# Altium PCB miniBackplane.PcbDoc (part 22 of 24)
Units mil, origin at the board's own origin, x right, y up, seen from the top; angles counter-clockwise.
Board outline 17285.63 x 8582.68 mil, 6 copper layers (Top Layer, Mid-Layer 1, GND, PWR, Mid-Layer 2, Bottom Layer), stack 62.362 mil thick; 519 components, 474 nets, 2434 pads, 1493 vias.
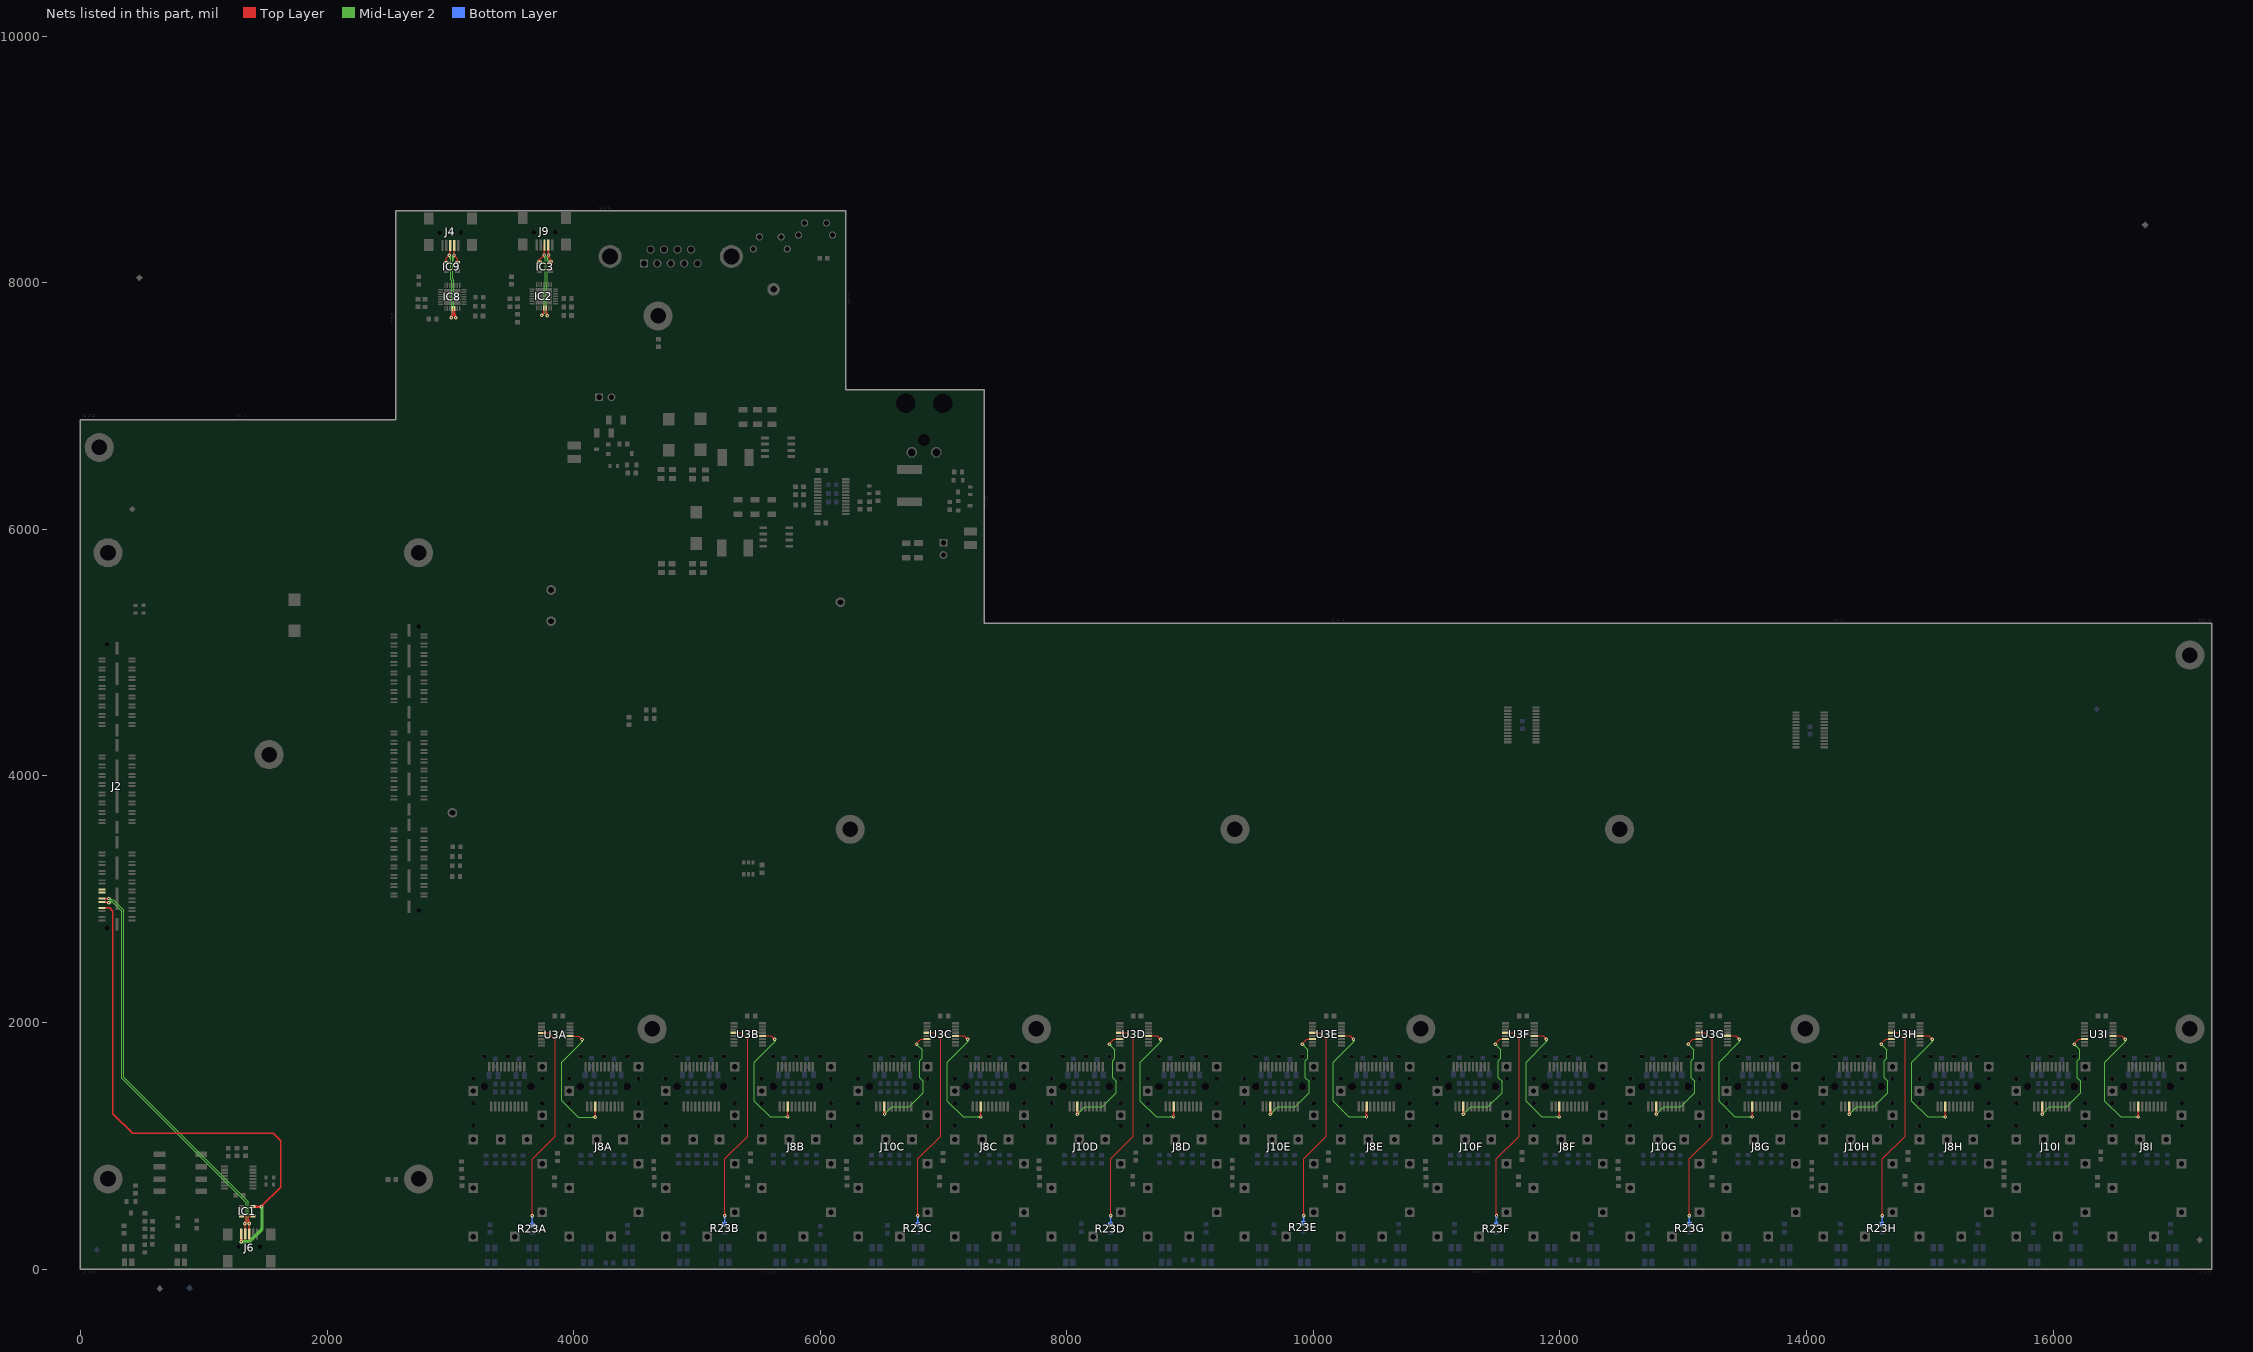
[diagram p26: the nets of this part, all layers, seen from the top]

## Via types
v1: diameter 27.56, hole 11.81, Top Layer to Bottom Layer, tented both sides, 1347 vias
v2: diameter 23.62, hole 11.81, Top Layer to Bottom Layer, tented both sides, 146 vias

## Nets (pads, with @x,y where several pads share a name; then routed paths per layer and width w, separated by ;. In a path a pad name is that pad's centre, name@x,y a point inside that pad or via, vN(x,y) a via of type N, cw(c..) or ccw(c..) an arc to the next point about the centre after c; other vN are vias at no path point) (continued)
SFP0_TX_DISABLEC: J10C.3 U3C.6 | length 1379
  Top Layer w7.87: J10C.3@6516.2,1283.74 cw(c6508.93,1271.15) 6522.98,1274.91 ; J10C.3@6516.9,1283.4 cw(c6514.48,1277.55) 6520.6,1275.91 ; v1(6521.65,1256.09) J10C.3@6521.65,1320.05 ; 6522.87,1275.3 cw(c6536.37,1278.92) J10C.3@6524.27,1285.91 ; v1@6783.63,1831.12 6817.74,1865.24 U3C.6@6864.98,1865.24 ; v1@6516.18,1264.27 ccw(c6510.93,1272.11) 6520.05,1274.56 ; v1@6516.18,1264.27 ccw(c6510.93,1272.11) 6520.05,1274.56 ; v1@6516.18,1264.27 ccw(c6510.93,1272.11) 6520.05,1274.56 ; 6520.64,1272.34 ccw(c6532.94,1275.64) v1@6526.57,1264.61 ; 6520.64,1272.34 ccw(c6532.94,1275.64) v1@6526.57,1264.61 ; 6520.64,1272.34 ccw(c6532.94,1275.64) v1@6526.57,1264.61 ; J10C.3@6521.65,1279.85 ccw(c6545.42,1279.85) 6528.61,1263.05 cw(c6545.42,1279.85) J10C.3@6521.65,1279.85 ; J10C.3@6521.65,1279.85 cw(c6497.89,1279.85) 6514.69,1263.05 ccw(c6497.89,1279.85) J10C.3@6521.65,1279.85 ; 6833.42,1865.24 ccw(c6833.42,1877.12) 6841.82,1868.72 cw(c6833.42,1877.12) 6833.42,1865.24 ; 6833.42,1865.24 cw(c6833.42,1853.36) 6841.82,1861.76 ccw(c6833.42,1853.36) 6833.42,1865.24 ; J10C.3@6514.98,1284.68 cw(c6498.86,1268.57) 6521.65,1268.57 ccw(c6498.86,1268.57) J10C.3@6514.98,1284.68
  Mid-Layer 2 w7.09: v1(6521.65,1256.09) 6581.13,1315.56 6722.18,1315.56 6836.13,1429.5 6836.13,1523.62 6806.13,1553.62 6806.13,1688.62 6826.13,1708.62 6826.13,1778.62 v1(6781.13,1823.62) ; 6539.13,1273.56 ccw(c6556.6,1256.09) 6531.89,1256.09 cw(c6556.6,1256.09) 6539.13,1273.56 ; 6539.13,1273.56 cw(c6521.65,1291.04) 6521.65,1266.32 ccw(c6521.65,1291.04) 6539.13,1273.56 ; 6798.6,1806.15 ccw(c6781.13,1788.67) 6781.13,1813.39 cw(c6781.13,1788.67) 6798.6,1806.15 ; 6798.6,1806.15 cw(c6816.07,1823.62) 6791.36,1823.62 ccw(c6816.07,1823.62) 6798.6,1806.15
SFP0_TX_DISABLED: J10D.3 U3D.6 | length 1319.6
  Top Layer w7.87: J10D.3@8081.92,1285.32 cw(c8069.37,1275.93) 8084.52,1271.87 ; v1(8086.65,1256.09) J10D.3@8086.65,1320.05 ; 8088.79,1271.87 cw(c8103.94,1275.93) J10D.3@8091.38,1285.32 ; v1@8348.63,1831.12 8382.74,1865.24 U3D.6@8429.98,1865.24 ; 8086.65,1274.6 ccw(c8072.4,1274.6) 8082.48,1284.68 cw(c8072.4,1274.6) 8086.65,1274.6 ; 8086.65,1274.6 cw(c8100.91,1274.6) 8090.83,1284.68 ccw(c8100.91,1274.6) 8086.65,1274.6 ; J10D.3@8086.65,1279.85 ccw(c8110.42,1279.85) 8093.61,1263.05 cw(c8110.42,1279.85) J10D.3@8086.65,1279.85 ; J10D.3@8086.65,1279.85 cw(c8062.89,1279.85) 8079.69,1263.05 ccw(c8062.89,1279.85) J10D.3@8086.65,1279.85 ; 8398.42,1865.24 ccw(c8398.42,1877.12) 8406.82,1868.72 cw(c8398.42,1877.12) 8398.42,1865.24 ; 8398.42,1865.24 cw(c8398.42,1853.36) 8406.82,1861.76 ccw(c8398.42,1853.36) 8398.42,1865.24
  Mid-Layer 2 w7.09: v1(8086.65,1256.09) 8146.13,1315.56 8287.18,1315.56 8401.13,1429.5 8401.13,1523.62 8371.13,1553.62 8371.13,1688.62 8391.13,1708.62 8391.13,1778.62 v1(8346.13,1823.62) ; 8104.13,1273.56 ccw(c8121.6,1256.09) 8096.89,1256.09 cw(c8121.6,1256.09) 8104.13,1273.56 ; 8104.13,1273.56 cw(c8086.65,1291.04) 8086.65,1266.32 ccw(c8086.65,1291.04) 8104.13,1273.56 ; 8363.6,1806.15 ccw(c8346.13,1788.67) 8346.13,1813.39 cw(c8346.13,1788.67) 8363.6,1806.15 ; 8363.6,1806.15 cw(c8381.07,1823.62) 8356.36,1823.62 ccw(c8381.07,1823.62) 8363.6,1806.15
SFP0_TX_DISABLEE: J10E.3 U3E.6 | length 1319.6
  Top Layer w7.87: J10E.3@9646.92,1285.32 cw(c9634.37,1275.93) 9649.52,1271.87 ; v1(9651.65,1256.09) J10E.3@9651.65,1320.05 ; 9653.79,1271.87 cw(c9668.94,1275.93) J10E.3@9656.38,1285.32 ; v1@9913.63,1831.12 9947.74,1865.24 U3E.6@9994.98,1865.24 ; 9651.65,1274.6 ccw(c9637.4,1274.6) 9647.48,1284.68 cw(c9637.4,1274.6) 9651.65,1274.6 ; 9651.65,1274.6 cw(c9665.91,1274.6) 9655.83,1284.68 ccw(c9665.91,1274.6) 9651.65,1274.6 ; J10E.3@9651.65,1279.85 ccw(c9675.42,1279.85) 9658.61,1263.05 cw(c9675.42,1279.85) J10E.3@9651.65,1279.85 ; J10E.3@9651.65,1279.85 cw(c9627.89,1279.85) 9644.69,1263.05 ccw(c9627.89,1279.85) J10E.3@9651.65,1279.85 ; 9963.42,1865.24 ccw(c9963.42,1877.12) 9971.82,1868.72 cw(c9963.42,1877.12) 9963.42,1865.24 ; 9963.42,1865.24 cw(c9963.42,1853.36) 9971.82,1861.76 ccw(c9963.42,1853.36) 9963.42,1865.24
  Mid-Layer 2 w7.09: v1(9651.65,1256.09) 9711.13,1315.56 9852.18,1315.56 9966.13,1429.5 9966.13,1523.62 9936.13,1553.62 9936.13,1688.62 9956.13,1708.62 9956.13,1778.62 v1(9911.13,1823.62) ; 9669.13,1273.56 ccw(c9686.6,1256.09) 9661.89,1256.09 cw(c9686.6,1256.09) 9669.13,1273.56 ; 9669.13,1273.56 cw(c9651.65,1291.04) 9651.65,1266.32 ccw(c9651.65,1291.04) 9669.13,1273.56 ; 9928.6,1806.15 ccw(c9911.13,1788.67) 9911.13,1813.39 cw(c9911.13,1788.67) 9928.6,1806.15 ; 9928.6,1806.15 cw(c9946.07,1823.62) 9921.36,1823.62 ccw(c9946.07,1823.62) 9928.6,1806.15
SFP0_TX_DISABLEF: J10F.3 U3F.6 | length 1319.6
  Top Layer w7.87: J10F.3@11211.49,1285.32 cw(c11198.94,1275.93) 11214.08,1271.87 ; v1(11216.22,1256.09) J10F.3@11216.22,1320.05 ; 11218.36,1271.87 cw(c11233.5,1275.93) J10F.3@11220.95,1285.32 ; v1@11478.19,1831.12 11512.31,1865.24 U3F.6@11559.55,1865.24 ; 11216.22,1274.6 ccw(c11201.96,1274.6) 11212.04,1284.68 cw(c11201.96,1274.6) 11216.22,1274.6 ; 11216.22,1274.6 cw(c11230.48,1274.6) 11220.4,1284.68 ccw(c11230.48,1274.6) 11216.22,1274.6 ; J10F.3@11216.22,1279.85 ccw(c11239.98,1279.85) 11223.18,1263.05 cw(c11239.98,1279.85) J10F.3@11216.22,1279.85 ; J10F.3@11216.22,1279.85 cw(c11192.46,1279.85) 11209.26,1263.05 ccw(c11192.46,1279.85) J10F.3@11216.22,1279.85 ; 11527.99,1865.24 ccw(c11527.99,1877.12) 11536.39,1868.72 cw(c11527.99,1877.12) 11527.99,1865.24 ; 11527.99,1865.24 cw(c11527.99,1853.36) 11536.39,1861.76 ccw(c11527.99,1853.36) 11527.99,1865.24
  Mid-Layer 2 w7.09: v1(11216.22,1256.09) 11275.69,1315.56 11416.75,1315.56 11530.69,1429.5 11530.69,1523.62 11500.69,1553.62 11500.69,1688.62 11520.69,1708.62 11520.69,1778.62 v1(11475.69,1823.62) ; 11233.69,1273.56 ccw(c11251.17,1256.09) 11226.46,1256.09 cw(c11251.17,1256.09) 11233.69,1273.56 ; 11233.69,1273.56 cw(c11216.22,1291.04) 11216.22,1266.32 ccw(c11216.22,1291.04) 11233.69,1273.56 ; 11493.17,1806.15 ccw(c11475.69,1788.67) 11475.69,1813.39 cw(c11475.69,1788.67) 11493.17,1806.15 ; 11493.17,1806.15 cw(c11510.64,1823.62) 11485.93,1823.62 ccw(c11510.64,1823.62) 11493.17,1806.15
SFP0_TX_DISABLEG: J10G.3 U3G.6 | length 1311.1
  Top Layer w7.87: J10G.3@12776.49,1285.32 cw(c12763.94,1275.93) 12779.08,1271.87 ; v1(12781.22,1256.09) J10G.3@12781.22,1320.05 ; 12783.36,1271.87 cw(c12798.5,1275.93) J10G.3@12785.95,1285.32 ; v1@13043.19,1831.12 13077.31,1865.24 U3G.6@13124.55,1865.24 ; 12781.22,1274.6 ccw(c12766.96,1274.6) 12777.04,1284.68 cw(c12766.96,1274.6) 12781.22,1274.6 ; 12781.22,1274.6 cw(c12795.48,1274.6) 12785.4,1284.68 ccw(c12795.48,1274.6) 12781.22,1274.6 ; J10G.3@12781.22,1279.85 ccw(c12804.98,1279.85) 12788.18,1263.05 cw(c12804.98,1279.85) J10G.3@12781.22,1279.85 ; J10G.3@12781.22,1279.85 cw(c12757.46,1279.85) 12774.26,1263.05 ccw(c12757.46,1279.85) J10G.3@12781.22,1279.85 ; 13091.78,1865.24 ccw(c13091.78,1883.6) 13104.76,1870.61 cw(c13091.78,1883.6) 13091.78,1865.24
  Mid-Layer 2 w7.09: v1(12781.22,1256.09) 12840.69,1315.56 12981.75,1315.56 13095.69,1429.5 13095.69,1523.62 13065.69,1553.62 13065.69,1688.62 13085.69,1708.62 13085.69,1778.62 v1(13040.69,1823.62) ; 12798.69,1273.56 ccw(c12816.17,1256.09) 12791.46,1256.09 cw(c12816.17,1256.09) 12798.69,1273.56 ; 12798.69,1273.56 cw(c12781.22,1291.04) 12781.22,1266.32 ccw(c12781.22,1291.04) 12798.69,1273.56 ; 13058.17,1806.15 ccw(c13040.69,1788.67) 13040.69,1813.39 cw(c13040.69,1788.67) 13058.17,1806.15 ; 13058.17,1806.15 cw(c13075.64,1823.62) 13050.93,1823.62 ccw(c13075.64,1823.62) 13058.17,1806.15
SFP0_TX_DISABLEH: J10H.3 U3H.6 | length 1319.6
  Top Layer w7.87: J10H.3@14341.49,1285.32 cw(c14328.94,1275.93) 14344.08,1271.87 ; v1(14346.22,1256.09) J10H.3@14346.22,1320.05 ; 14348.36,1271.87 cw(c14363.5,1275.93) J10H.3@14350.95,1285.32 ; v1@14608.19,1831.12 14642.31,1865.24 U3H.6@14689.55,1865.24 ; 14346.22,1274.6 ccw(c14331.96,1274.6) 14342.04,1284.68 cw(c14331.96,1274.6) 14346.22,1274.6 ; 14346.22,1274.6 cw(c14360.48,1274.6) 14350.4,1284.68 ccw(c14360.48,1274.6) 14346.22,1274.6 ; J10H.3@14346.22,1279.85 ccw(c14369.98,1279.85) 14353.18,1263.05 cw(c14369.98,1279.85) J10H.3@14346.22,1279.85 ; J10H.3@14346.22,1279.85 cw(c14322.46,1279.85) 14339.26,1263.05 ccw(c14322.46,1279.85) J10H.3@14346.22,1279.85 ; 14657.99,1865.24 ccw(c14657.99,1877.12) 14666.39,1868.72 cw(c14657.99,1877.12) 14657.99,1865.24 ; 14657.99,1865.24 cw(c14657.99,1853.36) 14666.39,1861.76 ccw(c14657.99,1853.36) 14657.99,1865.24
  Mid-Layer 2 w7.09: v1(14346.22,1256.09) 14405.69,1315.56 14546.75,1315.56 14660.69,1429.5 14660.69,1523.62 14630.69,1553.62 14630.69,1688.62 14650.69,1708.62 14650.69,1778.62 v1(14605.69,1823.62) ; 14363.69,1273.56 ccw(c14381.17,1256.09) 14356.46,1256.09 cw(c14381.17,1256.09) 14363.69,1273.56 ; 14363.69,1273.56 cw(c14346.22,1291.04) 14346.22,1266.32 ccw(c14346.22,1291.04) 14363.69,1273.56 ; 14623.17,1806.15 ccw(c14605.69,1788.67) 14605.69,1813.39 cw(c14605.69,1788.67) 14623.17,1806.15 ; 14623.17,1806.15 cw(c14640.64,1823.62) 14615.93,1823.62 ccw(c14640.64,1823.62) 14623.17,1806.15
SFP0_TX_DISABLEI: J10I.3 U3I.6 | length 1319.6
  Top Layer w7.87: J10I.3@15906.49,1285.32 cw(c15893.94,1275.93) 15909.08,1271.87 ; v1(15911.22,1256.09) J10I.3@15911.22,1320.05 ; 15913.36,1271.87 cw(c15928.5,1275.93) J10I.3@15915.95,1285.32 ; v1@16173.19,1831.12 16207.31,1865.24 U3I.6@16254.55,1865.24 ; 15911.22,1274.6 ccw(c15896.96,1274.6) 15907.04,1284.68 cw(c15896.96,1274.6) 15911.22,1274.6 ; 15911.22,1274.6 cw(c15925.48,1274.6) 15915.4,1284.68 ccw(c15925.48,1274.6) 15911.22,1274.6 ; J10I.3@15911.22,1279.85 ccw(c15934.98,1279.85) 15918.18,1263.05 cw(c15934.98,1279.85) J10I.3@15911.22,1279.85 ; J10I.3@15911.22,1279.85 cw(c15887.46,1279.85) 15904.26,1263.05 ccw(c15887.46,1279.85) J10I.3@15911.22,1279.85 ; 16222.99,1865.24 ccw(c16222.99,1877.12) 16231.39,1868.72 cw(c16222.99,1877.12) 16222.99,1865.24 ; 16222.99,1865.24 cw(c16222.99,1853.36) 16231.39,1861.76 ccw(c16222.99,1853.36) 16222.99,1865.24
  Mid-Layer 2 w7.09: v1(15911.22,1256.09) 15970.69,1315.56 16111.75,1315.56 16225.69,1429.5 16225.69,1523.62 16195.69,1553.62 16195.69,1688.62 16215.69,1708.62 16215.69,1778.62 v1(16170.69,1823.62) ; 15928.69,1273.56 ccw(c15946.17,1256.09) 15921.46,1256.09 cw(c15946.17,1256.09) 15928.69,1273.56 ; 15928.69,1273.56 cw(c15911.22,1291.04) 15911.22,1266.32 ccw(c15911.22,1291.04) 15928.69,1273.56 ; 16188.17,1806.15 ccw(c16170.69,1788.67) 16170.69,1813.39 cw(c16170.69,1788.67) 16188.17,1806.15 ; 16188.17,1806.15 cw(c16205.64,1823.62) 16180.93,1823.62 ccw(c16205.64,1823.62) 16188.17,1806.15
SFP1_TX_DISABLEA: J8A.3 U3A.12 | length 1492.2
  Top Layer w7.87: U3A.12@3970.81,1889.17 4042.46,1889.17 v1(4069.67,1861.96) ; 4054.19,1875.95 cw(c4049.33,1857.79) v1@4067.74,1861.57 ; 4055.68,1877.44 ccw(c4073.83,1882.3) v1@4070.06,1863.89 ; v1(4174.67,1231.96) J8A.3@4174.67,1317.86 ; 4002.38,1889.17 ccw(c4002.38,1877.28) 3993.98,1885.69 cw(c4002.38,1877.28) 4002.38,1889.17 ; 4002.38,1889.17 cw(c4002.38,1901.05) 3993.98,1892.65 ccw(c4002.38,1901.05) 4002.38,1889.17 ; 4052.87,1878.76 ccw(c4069.67,1895.57) 4069.67,1871.8 cw(c4069.67,1895.57) 4052.87,1878.76 ; 4052.87,1878.76 cw(c4036.06,1861.96) 4059.83,1861.96 ccw(c4036.06,1861.96) 4052.87,1878.76 ; 4174.67,1255.72 ccw(c4198.43,1255.72) 4181.63,1238.92 cw(c4198.43,1255.72) 4174.67,1255.72 ; 4174.67,1255.72 cw(c4150.91,1255.72) 4167.71,1238.92 ccw(c4150.91,1255.72) 4174.67,1255.72 ; J8A.3@4171.02,1284.68 cw(c4162.21,1275.87) 4174.67,1275.87 ccw(c4162.21,1275.87) J8A.3@4171.02,1284.68 ; 4174.67,1273.33 cw(c4190.73,1273.33) 4179.37,1284.68 ccw(c4190.73,1273.33) 4174.67,1273.33
  Mid-Layer 2 w7.09: v1(4069.67,1861.96) 4069.67,1841.96 ; v1(4174.67,1231.96) 4036.74,1231.96 3904.67,1364.03 3904.67,1676.96 4069.67,1841.96 ; 4069.67,1841.96 ccw(c4055.25,1841.96) 4063.68,1853.66 cw(c4055.25,1841.96) 4069.67,1841.96 ; 4069.67,1841.96 cw(c4084.09,1841.96) 4075.66,1853.66 ccw(c4084.09,1841.96) 4069.67,1841.96 ; 4149.96,1231.96 ccw(c4149.96,1256.67) 4167.43,1239.2 cw(c4149.96,1256.67) 4149.96,1231.96 ; 4149.96,1231.96 cw(c4149.96,1207.25) 4167.43,1224.72 ccw(c4149.96,1207.25) 4149.96,1231.96
SFP1_TX_DISABLEB: J8B.3 U3B.12 | length 1494.6
  Top Layer w7.87: U3B.12@5532.27,1890.82 5603.92,1890.82 v1(5631.13,1863.61) ; 5615.65,1877.6 cw(c5610.78,1859.45) v1@5629.2,1863.22 ; 5617.14,1879.09 ccw(c5635.29,1883.96) v1@5631.52,1865.54 ; v1(5736.13,1233.61) J8B.3@5736.13,1319.51 ; 5563.83,1890.82 ccw(c5563.83,1878.94) 5555.43,1887.34 cw(c5563.83,1878.94) 5563.83,1890.82 ; 5563.83,1890.82 cw(c5563.83,1902.7) 5555.43,1894.3 ccw(c5563.83,1902.7) 5563.83,1890.82 ; 5614.32,1880.42 ccw(c5631.13,1897.22) 5631.13,1873.46 cw(c5631.13,1897.22) 5614.32,1880.42 ; 5614.32,1880.42 cw(c5597.52,1863.61) 5621.28,1863.61 ccw(c5597.52,1863.61) 5614.32,1880.42 ; 5736.13,1257.38 ccw(c5759.89,1257.38) 5743.09,1240.57 cw(c5759.89,1257.38) 5736.13,1257.38 ; 5736.13,1257.38 cw(c5712.36,1257.38) 5729.17,1240.57 ccw(c5712.36,1257.38) 5736.13,1257.38 ; J8B.3@5732.48,1284.68 cw(c5723.67,1275.87) 5736.13,1275.87 ccw(c5723.67,1275.87) J8B.3@5732.48,1284.68 ; 5736.13,1273.33 cw(c5752.18,1273.33) 5740.83,1284.68 ccw(c5752.18,1273.33) 5736.13,1273.33
  Mid-Layer 2 w7.09: v1(5631.13,1863.61) 5631.13,1843.61 ; v1(5736.13,1233.61) 5594.12,1233.61 5466.13,1361.61 5466.13,1678.61 5631.13,1843.61 ; 5631.13,1843.62 ccw(c5616.71,1843.62) 5625.14,1855.31 cw(c5616.71,1843.62) 5631.13,1843.62 ; 5631.13,1843.62 cw(c5645.54,1843.62) 5637.11,1855.31 ccw(c5645.54,1843.62) 5631.13,1843.62 ; 5711.41,1233.61 ccw(c5711.41,1258.33) 5728.89,1240.85 cw(c5711.41,1258.33) 5711.41,1233.61 ; 5711.41,1233.61 cw(c5711.41,1208.9) 5728.89,1226.38 ccw(c5711.41,1208.9) 5711.41,1233.61
SFP1_TX_DISABLEC: J8C.3 U3C.12 | length 1494.6
  Top Layer w7.87: U3C.12@7097.27,1890.83 7168.92,1890.83 v1(7196.13,1863.62) ; 7180.65,1877.61 cw(c7175.78,1859.46) v1@7194.2,1863.23 ; 7182.14,1879.1 ccw(c7200.29,1883.96) v1@7196.52,1865.55 ; v1(7301.13,1233.62) J8C.3@7301.13,1319.52 ; 7128.83,1890.83 ccw(c7128.83,1878.95) 7120.43,1887.35 cw(c7128.83,1878.95) 7128.83,1890.83 ; 7128.83,1890.83 cw(c7128.83,1902.71) 7120.43,1894.31 ccw(c7128.83,1902.71) 7128.83,1890.83 ; 7179.32,1880.42 ccw(c7196.13,1897.23) 7196.13,1873.46 cw(c7196.13,1897.23) 7179.32,1880.42 ; 7179.32,1880.42 cw(c7162.52,1863.62) 7186.28,1863.62 ccw(c7162.52,1863.62) 7179.32,1880.42 ; 7301.13,1257.38 ccw(c7324.89,1257.38) 7308.09,1240.58 cw(c7324.89,1257.38) 7301.13,1257.38 ; 7301.13,1257.38 cw(c7277.36,1257.38) 7294.17,1240.58 ccw(c7277.36,1257.38) 7301.13,1257.38 ; J8C.3@7297.48,1284.68 cw(c7288.67,1275.87) 7301.13,1275.87 ccw(c7288.67,1275.87) J8C.3@7297.48,1284.68 ; 7301.13,1273.33 cw(c7317.18,1273.33) 7305.83,1284.68 ccw(c7317.18,1273.33) 7301.13,1273.33
  Mid-Layer 2 w7.09: v1(7196.13,1863.62) 7196.13,1843.62 ; v1(7301.13,1233.62) 7159.12,1233.62 7031.13,1361.61 7031.13,1678.62 7196.13,1843.62 ; 7196.13,1843.62 ccw(c7181.71,1843.62) 7190.14,1855.32 cw(c7181.71,1843.62) 7196.13,1843.62 ; 7196.13,1843.62 cw(c7210.54,1843.62) 7202.11,1855.32 ccw(c7210.54,1843.62) 7196.13,1843.62 ; 7276.41,1233.62 ccw(c7276.41,1258.33) 7293.89,1240.86 cw(c7276.41,1258.33) 7276.41,1233.62 ; 7276.41,1233.62 cw(c7276.41,1208.91) 7293.89,1226.38 ccw(c7276.41,1208.91) 7276.41,1233.62
SFP1_TX_DISABLED: J8D.3 U3D.12 | length 1494.6
  Top Layer w7.87: U3D.12@8662.27,1890.83 8733.92,1890.83 v1(8761.13,1863.62) ; 8745.65,1877.61 cw(c8740.78,1859.46) v1@8759.2,1863.23 ; 8747.14,1879.1 ccw(c8765.29,1883.96) v1@8761.52,1865.55 ; v1(8866.13,1233.62) J8D.3@8866.13,1319.52 ; 8693.83,1890.83 ccw(c8693.83,1878.95) 8685.43,1887.35 cw(c8693.83,1878.95) 8693.83,1890.83 ; 8693.83,1890.83 cw(c8693.83,1902.71) 8685.43,1894.31 ccw(c8693.83,1902.71) 8693.83,1890.83 ; 8744.32,1880.42 ccw(c8761.13,1897.23) 8761.13,1873.46 cw(c8761.13,1897.23) 8744.32,1880.42 ; 8744.32,1880.42 cw(c8727.52,1863.62) 8751.28,1863.62 ccw(c8727.52,1863.62) 8744.32,1880.42 ; 8866.13,1257.38 ccw(c8889.89,1257.38) 8873.09,1240.58 cw(c8889.89,1257.38) 8866.13,1257.38 ; 8866.13,1257.38 cw(c8842.36,1257.38) 8859.17,1240.58 ccw(c8842.36,1257.38) 8866.13,1257.38 ; J8D.3@8862.48,1284.68 cw(c8853.67,1275.87) 8866.13,1275.87 ccw(c8853.67,1275.87) J8D.3@8862.48,1284.68 ; 8866.13,1273.33 cw(c8882.18,1273.33) 8870.83,1284.68 ccw(c8882.18,1273.33) 8866.13,1273.33
  Mid-Layer 2 w7.09: v1(8761.13,1863.62) 8761.13,1843.62 ; v1(8866.13,1233.62) 8724.12,1233.62 8596.13,1361.61 8596.13,1678.62 8761.13,1843.62 ; 8761.13,1843.62 ccw(c8746.71,1843.62) 8755.14,1855.32 cw(c8746.71,1843.62) 8761.13,1843.62 ; 8761.13,1843.62 cw(c8775.54,1843.62) 8767.11,1855.32 ccw(c8775.54,1843.62) 8761.13,1843.62 ; 8841.41,1233.62 ccw(c8841.41,1258.33) 8858.89,1240.86 cw(c8841.41,1258.33) 8841.41,1233.62 ; 8841.41,1233.62 cw(c8841.41,1208.91) 8858.89,1226.38 ccw(c8841.41,1208.91) 8841.41,1233.62
SFP1_TX_DISABLEE: J8E.3 U3E.12 | length 1494.6
  Top Layer w7.87: U3E.12@10227.27,1890.83 10298.92,1890.83 v1(10326.13,1863.62) ; 10310.65,1877.61 cw(c10305.78,1859.46) v1@10324.2,1863.23 ; 10312.14,1879.1 ccw(c10330.29,1883.96) v1@10326.52,1865.55 ; v1(10431.13,1233.62) J8E.3@10431.13,1319.52 ; 10258.83,1890.83 ccw(c10258.83,1878.95) 10250.43,1887.35 cw(c10258.83,1878.95) 10258.83,1890.83 ; 10258.83,1890.83 cw(c10258.83,1902.71) 10250.43,1894.31 ccw(c10258.83,1902.71) 10258.83,1890.83 ; 10309.32,1880.42 ccw(c10326.13,1897.23) 10326.13,1873.46 cw(c10326.13,1897.23) 10309.32,1880.42 ; 10309.32,1880.42 cw(c10292.52,1863.62) 10316.28,1863.62 ccw(c10292.52,1863.62) 10309.32,1880.42 ; 10431.13,1257.38 ccw(c10454.89,1257.38) 10438.09,1240.58 cw(c10454.89,1257.38) 10431.13,1257.38 ; 10431.13,1257.38 cw(c10407.36,1257.38) 10424.17,1240.58 ccw(c10407.36,1257.38) 10431.13,1257.38 ; J8E.3@10427.48,1284.68 cw(c10418.67,1275.87) 10431.13,1275.87 ccw(c10418.67,1275.87) J8E.3@10427.48,1284.68 ; 10431.13,1273.33 cw(c10447.18,1273.33) 10435.83,1284.68 ccw(c10447.18,1273.33) 10431.13,1273.33
  Mid-Layer 2 w7.09: v1(10326.13,1863.62) 10326.13,1843.62 ; v1(10431.13,1233.62) 10289.12,1233.62 10161.13,1361.61 10161.13,1678.62 10326.13,1843.62 ; 10326.13,1843.62 ccw(c10311.71,1843.62) 10320.14,1855.32 cw(c10311.71,1843.62) 10326.13,1843.62 ; 10326.13,1843.62 cw(c10340.54,1843.62) 10332.11,1855.32 ccw(c10340.54,1843.62) 10326.13,1843.62 ; 10406.41,1233.62 ccw(c10406.41,1258.33) 10423.89,1240.86 cw(c10406.41,1258.33) 10406.41,1233.62 ; 10406.41,1233.62 cw(c10406.41,1208.91) 10423.89,1226.38 ccw(c10406.41,1208.91) 10406.41,1233.62
SFP1_TX_DISABLEF: J8F.3 U3F.12 | length 1494.6
  Top Layer w7.87: U3F.12@11791.83,1890.83 11863.49,1890.83 v1(11890.69,1863.62) ; 11875.22,1877.61 cw(c11870.35,1859.46) v1@11888.76,1863.23 ; 11876.7,1879.1 ccw(c11894.86,1883.96) v1@11891.09,1865.55 ; v1(11995.69,1233.62) J8F.3@11995.69,1319.52 ; 11823.4,1890.83 ccw(c11823.4,1878.95) 11815,1887.35 cw(c11823.4,1878.95) 11823.4,1890.83 ; 11823.4,1890.83 cw(c11823.4,1902.71) 11815,1894.31 ccw(c11823.4,1902.71) 11823.4,1890.83 ; 11873.89,1880.42 ccw(c11890.69,1897.23) 11890.69,1873.46 cw(c11890.69,1897.23) 11873.89,1880.42 ; 11873.89,1880.42 cw(c11857.09,1863.62) 11880.85,1863.62 ccw(c11857.09,1863.62) 11873.89,1880.42 ; 11995.69,1257.38 ccw(c12019.45,1257.38) 12002.65,1240.58 cw(c12019.45,1257.38) 11995.69,1257.38 ; 11995.69,1257.38 cw(c11971.93,1257.38) 11988.73,1240.58 ccw(c11971.93,1257.38) 11995.69,1257.38 ; J8F.3@11992.04,1284.68 cw(c11983.24,1275.87) 11995.69,1275.87 ccw(c11983.24,1275.87) J8F.3@11992.04,1284.68 ; 11995.69,1273.33 cw(c12011.75,1273.33) 12000.4,1284.68 ccw(c12011.75,1273.33) 11995.69,1273.33
  Mid-Layer 2 w7.09: v1(11890.69,1863.62) 11890.69,1843.62 ; v1(11995.69,1233.62) 11853.68,1233.62 11725.69,1361.61 11725.69,1678.62 11890.69,1843.62 ; 11890.69,1843.62 ccw(c11876.27,1843.62) 11884.71,1855.32 cw(c11876.27,1843.62) 11890.69,1843.62 ; 11890.69,1843.62 cw(c11905.11,1843.62) 11896.68,1855.32 ccw(c11905.11,1843.62) 11890.69,1843.62 ; 11970.98,1233.62 ccw(c11970.98,1258.33) 11988.45,1240.86 cw(c11970.98,1258.33) 11970.98,1233.62 ; 11970.98,1233.62 cw(c11970.98,1208.91) 11988.45,1226.38 ccw(c11970.98,1208.91) 11970.98,1233.62
SFP1_TX_DISABLEG: J8G.3 U3G.12 | length 1486.1
  Top Layer w7.87: U3G.12@13356.83,1890.83 13428.49,1890.83 v1(13455.69,1863.62) ; 13440.22,1877.61 cw(c13435.35,1859.46) v1@13453.76,1863.23 ; 13441.7,1879.1 ccw(c13459.86,1883.96) v1@13456.09,1865.55 ; v1(13560.69,1233.62) J8G.3@13560.69,1319.52 ; 13438.89,1880.42 ccw(c13455.69,1897.23) 13455.69,1873.46 cw(c13455.69,1897.23) 13438.89,1880.42 ; 13438.89,1880.42 cw(c13422.09,1863.62) 13445.85,1863.62 ccw(c13422.09,1863.62) 13438.89,1880.42 ; 13560.69,1257.38 ccw(c13584.45,1257.38) 13567.65,1240.58 cw(c13584.45,1257.38) 13560.69,1257.38 ; 13560.69,1257.38 cw(c13536.93,1257.38) 13553.73,1240.58 ccw(c13536.93,1257.38) 13560.69,1257.38 ; U3G.12@13383.38,1896.2 ccw(c13396.36,1909.19) 13396.36,1890.83 cw(c13396.36,1909.19) U3G.12@13383.38,1896.2 ; J8G.3@13557.04,1284.68 cw(c13548.24,1275.87) 13560.69,1275.87 ccw(c13548.24,1275.87) J8G.3@13557.04,1284.68 ; 13560.69,1273.33 cw(c13576.75,1273.33) 13565.4,1284.68 ccw(c13576.75,1273.33) 13560.69,1273.33